# Altium PCB LimeSDR-X3_1v2.PcbDoc (part 1 of 25) (continued)
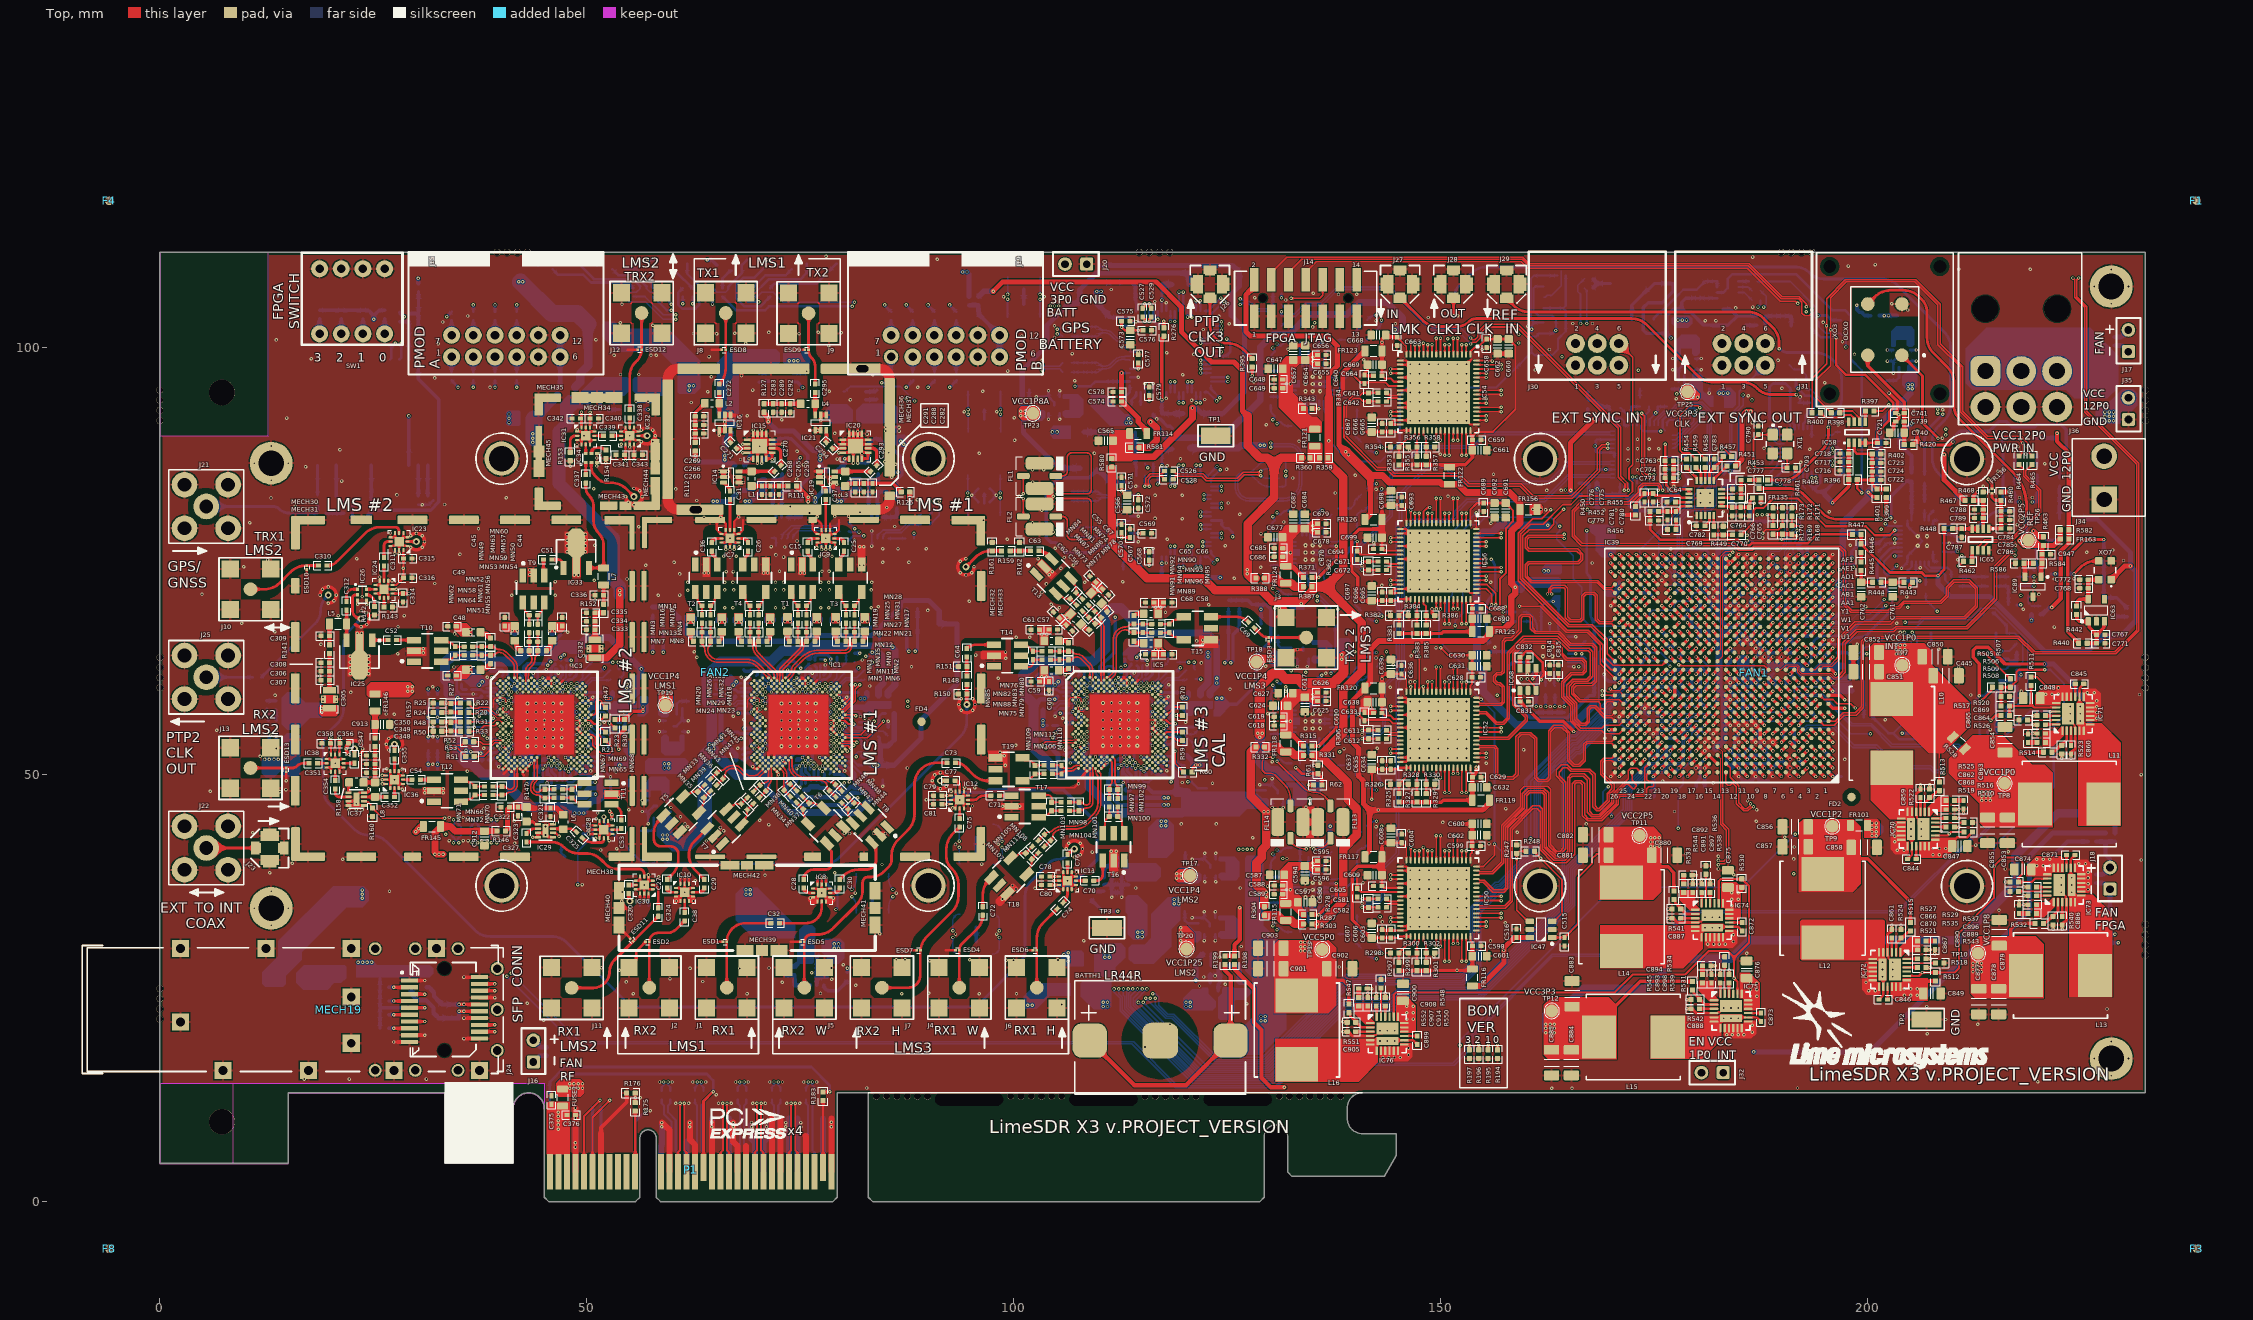
[diagram p0: Top view]
## Classes and differential pairs (continued)
net class LMS2_BB_TX2_DAC: LMS2_TX2_BB_I_N LMS2_TX2_BB_I_P LMS2_TX2_BB_Q_N LMS2_TX2_BB_Q_P
net class LMS3_TX_RF: GND LMS3_TX1_1 LMS3_TX2_1 LMS3_TX2_2 LMS3_TXRF1_1AB_N LMS3_TXRF1_1AB_P LMS3_TXRF1_1BB_N LMS3_TXRF1_1BB_P LMS3_TXRF2_1AB_N LMS3_TXRF2_1AB_P LMS3_TXRF2_1BB_N LMS3_TXRF2_1BB_P LMS3_TXRF2_2AB_N LMS3_TXRF2_2AB_P LMS3_TXRF2_2BB_N LMS3_TXRF2_2BB_P NetC63_2 NetC64_2 NetC69_2 NetMN89_1 NetMN90_1 VCC1P8_LMS3
net class LMS3_RX_RF: GND LMS3_RX2_H LMS3_RX2_W LMS3_RXRF2_HAB_N LMS3_RXRF2_HAB_P LMS3_RXRF2_HBB_N LMS3_RXRF2_HBB_P LMS3_RXRF2_WAB_N LMS3_RXRF2_WAB_P LMS3_RXRF2_WBB_N LMS3_RXRF2_WBB_P NetC71_2 NetC73_2
net class LMS3_MISC: LMS3_CORE_LDO_EN LMS3_RESET LMS3_RXEN LMS3_TXEN
net class LMS3_I2C: LMS3_I2C_SCL LMS3_I2C_SDA
net class LMS3_BB_ADC2_DATA: LMS3_BB_ADC2_CLKOUT_N LMS3_BB_ADC2_CLKOUT_P LMS3_BB_ADC2_DA0_N LMS3_BB_ADC2_DA0_P LMS3_BB_ADC2_DA1_N LMS3_BB_ADC2_DA1_P LMS3_BB_ADC2_DA2_N LMS3_BB_ADC2_DA2_P LMS3_BB_ADC2_DA3_N LMS3_BB_ADC2_DA3_P LMS3_BB_ADC2_DA4_N LMS3_BB_ADC2_DA4_P LMS3_BB_ADC2_DA5_N LMS3_BB_ADC2_DA5_P LMS3_BB_ADC2_DA6_N LMS3_BB_ADC2_DA6_P LMS3_BB_ADC2_DB0_N LMS3_BB_ADC2_DB0_P LMS3_BB_ADC2_DB1_N LMS3_BB_ADC2_DB1_P LMS3_BB_ADC2_DB2_N LMS3_BB_ADC2_DB2_P LMS3_BB_ADC2_DB3_N LMS3_BB_ADC2_DB3_P LMS3_BB_ADC2_DB4_N LMS3_BB_ADC2_DB4_P LMS3_BB_ADC2_DB5_N LMS3_BB_ADC2_DB5_P LMS3_BB_ADC2_DB6_N LMS3_BB_ADC2_DB6_P
net class LMS3_BB_ADC1_DATA: LMS3_BB_ADC1_CLKOUT_N LMS3_BB_ADC1_CLKOUT_P LMS3_BB_ADC1_DA0_N LMS3_BB_ADC1_DA0_P LMS3_BB_ADC1_DA1_N LMS3_BB_ADC1_DA1_P LMS3_BB_ADC1_DA2_N LMS3_BB_ADC1_DA2_P LMS3_BB_ADC1_DA3_N LMS3_BB_ADC1_DA3_P LMS3_BB_ADC1_DA4_N LMS3_BB_ADC1_DA4_P LMS3_BB_ADC1_DA5_N LMS3_BB_ADC1_DA5_P LMS3_BB_ADC1_DA6_N LMS3_BB_ADC1_DA6_P LMS3_BB_ADC1_DB0_N LMS3_BB_ADC1_DB0_P LMS3_BB_ADC1_DB1_N LMS3_BB_ADC1_DB1_P LMS3_BB_ADC1_DB2_N LMS3_BB_ADC1_DB2_P LMS3_BB_ADC1_DB3_N LMS3_BB_ADC1_DB3_P LMS3_BB_ADC1_DB4_N LMS3_BB_ADC1_DB4_P LMS3_BB_ADC1_DB5_N LMS3_BB_ADC1_DB5_P LMS3_BB_ADC1_DB6_N LMS3_BB_ADC1_DB6_P
net class LMS2_BB_ADC2_DATA: LMS2_BB_ADC2_CLKOUT_N LMS2_BB_ADC2_CLKOUT_P LMS2_BB_ADC2_DA0_N LMS2_BB_ADC2_DA0_P LMS2_BB_ADC2_DA1_N LMS2_BB_ADC2_DA1_P LMS2_BB_ADC2_DA2_N LMS2_BB_ADC2_DA2_P LMS2_BB_ADC2_DA3_N LMS2_BB_ADC2_DA3_P LMS2_BB_ADC2_DA4_N LMS2_BB_ADC2_DA4_P LMS2_BB_ADC2_DA5_N LMS2_BB_ADC2_DA5_P LMS2_BB_ADC2_DA6_N LMS2_BB_ADC2_DA6_P LMS2_BB_ADC2_DB0_N LMS2_BB_ADC2_DB0_P LMS2_BB_ADC2_DB1_N LMS2_BB_ADC2_DB1_P LMS2_BB_ADC2_DB2_N LMS2_BB_ADC2_DB2_P LMS2_BB_ADC2_DB3_N LMS2_BB_ADC2_DB3_P LMS2_BB_ADC2_DB4_N LMS2_BB_ADC2_DB4_P LMS2_BB_ADC2_DB5_N LMS2_BB_ADC2_DB5_P LMS2_BB_ADC2_DB6_N LMS2_BB_ADC2_DB6_P
net class LMS2_BB_ADC1_DATA: LMS2_BB_ADC1_CLKOUT_N LMS2_BB_ADC1_CLKOUT_P LMS2_BB_ADC1_DA0_N LMS2_BB_ADC1_DA0_P LMS2_BB_ADC1_DA1_N LMS2_BB_ADC1_DA1_P LMS2_BB_ADC1_DA2_N LMS2_BB_ADC1_DA2_P LMS2_BB_ADC1_DA3_N LMS2_BB_ADC1_DA3_P LMS2_BB_ADC1_DA4_N LMS2_BB_ADC1_DA4_P LMS2_BB_ADC1_DA5_N LMS2_BB_ADC1_DA5_P LMS2_BB_ADC1_DA6_N LMS2_BB_ADC1_DA6_P LMS2_BB_ADC1_DB0_N LMS2_BB_ADC1_DB0_P LMS2_BB_ADC1_DB1_N LMS2_BB_ADC1_DB1_P LMS2_BB_ADC1_DB2_N LMS2_BB_ADC1_DB2_P LMS2_BB_ADC1_DB3_N LMS2_BB_ADC1_DB3_P LMS2_BB_ADC1_DB4_N LMS2_BB_ADC1_DB4_P LMS2_BB_ADC1_DB5_N LMS2_BB_ADC1_DB5_P LMS2_BB_ADC1_DB6_N LMS2_BB_ADC1_DB6_P
net class LMS2_BB: GND LMS2_IC_RX1_BB_I_N LMS2_IC_RX1_BB_I_P LMS2_IC_RX1_BB_Q_N LMS2_IC_RX1_BB_Q_P LMS2_IC_RX2_BB_I_N LMS2_IC_RX2_BB_I_P LMS2_IC_RX2_BB_Q_N LMS2_IC_RX2_BB_Q_P LMS2_IC_TX1_BB_I_N LMS2_IC_TX1_BB_I_P LMS2_IC_TX1_BB_Q_N LMS2_IC_TX1_BB_Q_P LMS2_IC_TX2_BB_I_N LMS2_IC_TX2_BB_I_P LMS2_IC_TX2_BB_Q_N LMS2_IC_TX2_BB_Q_P LMS2_RX1_BB_I_N LMS2_RX1_BB_I_P LMS2_RX1_BB_Q_N LMS2_RX1_BB_Q_P LMS2_RX2_BB_I_N LMS2_RX2_BB_I_P LMS2_RX2_BB_Q_N LMS2_RX2_BB_Q_P LMS2_TX1_BB_I_N LMS2_TX1_BB_I_P LMS2_TX1_BB_Q_N LMS2_TX1_BB_Q_P LMS2_TX2_BB_I_N LMS2_TX2_BB_I_P LMS2_TX2_BB_Q_N LMS2_TX2_BB_Q_P
net class +3.3V_DIG_LMK: +3.3V_DIG_LMK1 +3.3V_DIG_LMK2
component class 29_Clocks2: C790 C791 C792 C793 C794 C795 C796 C797 C798 C799 C800 C801 C802 C803 C804 C805 C806 C807 C808 C809 C810 C811 C812 C813 C814 C815 C816 C817 C818 C819 C820 C821 C822 C823 C824 C825 C826 C827 C828 C829 C830 C831 C832 C833 C834 C835 C836 C837 C838 C839 C840 C841 C842 C843 FR137 FR138 FR139 FR140 FR141 IC66 IC67 IC68 IC69 J30 J31 R469 R470 R471 R472 R473 R474 R475 R476 R477 R478 R479 R480 R481 R482 R483 R484 R485 R486 R487 R488 R489 R490 R491 R492 R493 R494 R495 R496 R497 R498 R499 R500 R501 R502 R503 XO8 XT1
component class 17_FPGA_B12_B13_B14_B15: IC39
component class 31_Power2: C915 C916 C917 C918 C919 C920 C921 C922 C923 C924 C925 C926 C927 C928 C929 C930 C931 C932 C933 C934 C935 C936 C937 C938 C939 C940 C941 C942 C943 C944 C945 C946 C947 FR147 FR148 FR149 FR150 FR151 FR152 FR153 FR154 FR155 FR156 FR157 FR158 FR159 FR160 FR161 FR162 FR163 IC77 IC78 IC79 IC80 IC81 IC82 IC83 IC84 IC85 IC86 IC87 IC88 IC89 R553 R554 R555 R556 R557 R558 R559 R560 R561 R562 R563 R564 R565 R566 R567 R568 R569 R570 R571 R572 R573 R574 R575 R576 R577 R578 R579 R580 R581 R582 R583 R584 R585 R586 TP14 TP15 TP16 TP17 TP18 TP19 TP20 TP21 TP22 TP23 TP24 TP25 TP26
component class 05_LMS1_Misc: C1 C2 F1 F2 F3 F4 F5 F6 F7 F8 FAN1 FAN2 FD1 FD2 FD3 FD4 IC1 IC2 MECH15 MECH16 MECH17 MECH18 R1 R2 R3 R4 R5 R6 R7 R8 R9 R10 R11 R12 R13 R14 TP1 TP2 TP3 TP4 TP5 TP6
component class 28_Clocks1: C737 C738 C739 C740 C741 C742 C743 C744 C745 C746 C747 C748 C749 C750 C751 C752 C753 C754 C755 C756 C757 C758 C759 C760 C761 C762 C763 C764 C765 C766 C767 C768 C769 C770 C771 C772 C773 C774 C775 C776 C777 C778 C779 C780 C781 C782 C783 C784 C785 C786 C787 C788 C789 FR132 FR133 FR134 FR135 FR136 IC62 IC63 IC64 IC65 J27 J28 J29 R418 R419 R420 R421 R422 R423 R424 R425 R426 R427 R428 R429 R430 R431 R432 R433 R434 R435 R436 R437 R438 R439 R440 R441 R442 R443 R444 R445 R446 R447 R448 R449 R450 R451 R452 R453 R454 R455 R456 R457 R458 R459 R460 R461 R462 R463 R464 R465 R466 R467 R468 XO3 XO4 XO5 XO6 XO7
component class 27_WR_PTP: C700 C701 C702 C703 C704 C705 C706 C707 C708 C709 C710 C711 C712 C713 C714 C715 C716 C717 C718 C719 C720 C721 C722 C723 C724 C725 C726 C727 C728 C729 C730 C731 C732 C733 C734 C735 C736 FR127 FR128 FR129 FR130 FR131 IC58 IC59 IC60 IC61 J24 J25 J26 MECH19 R389 R390 R391 R392 R393 R394 R395 R396 R397 R398 R399 R400 R401 R402 R403 R404 R405 R406 R407 R408 R409 R410 R411 R412 R413 R414 R415 R416 R417 XO1 XO2
component class 25_LMS3_RX1_BB_ADC: C640 C641 C642 C643 C644 C645 C646 C647 C648 C649 C650 C651 C652 C653 C654 C655 C656 C657 C658 C659 C660 C661 C662 C663 C664 C665 C666 C667 C668 C669 FL19 FR121 FR122 FR123 IC54 IC55 R333 R334 R335 R336 R337 R338 R339 R340 R341 R342 R343 R344 R345 R346 R347 R348 R349 R350 R351 R352 R353 R354 R355 R356 R357 R358 R359 R360
component class 23_LMS2_RX1_BB_ADC: C580 C581 C582 C583 C584 C585 C586 C587 C588 C589 C590 C591 C592 C593 C594 C595 C596 C597 C598 C599 C600 C601 C602 C603 C604 C605 C606 C607 C608 C609 FL17 FR115 FR116 FR117 IC50 IC51 R277 R278 R279 R280 R281 R282 R283 R284 R285 R286 R287 R288 R289 R290 R291 R292 R293 R294 R295 R296 R297 R298 R299 R300 R301 R302 R303 R304
component class 15_LMS2_RF1_Misc: C305 C306 C307 C308 C309 C310 C311 C312 C313 C314 C315 C316 C317 C318 C319 C320 C321 C322 C323 C324 C325 C326 C327 C328 C329 C330 C331 ESD10 ESD11 IC23 IC24 IC25 IC26 IC27 IC28 IC29 IC30 J10 J11 L5 L6 R141 R142 R143 R144 R145 R146 R147 R148 R149 R150 R151
component class 07_LMS3_Misc: C5 C6 IC5 IC6 R59 R60 R61 R62 R63 R64 R65 R66 R67 R68 R69 R70 R71 R72 R73 R74
net class VCC_LMS2_TX2_2: VCC_LMS2_TX2_1 VCC_LMS2_TX2_2
net class VCC_LMS2_TX1_2: VCC_LMS1_TX2
net class VCC12P0: VCC12P0
net class VCC3P3_RF: VCC3P3_RF
net class VCC1P25_LMS2: VCC1P25_LMS2
net class VCC1P25_LMS1: VCC1P25_LMS1
net class VCC1P8A: VCC1P8A
net class VCC1P8_LMS2: VCC1P8_LMS2
net class VCC1P8_LMS1: VCC1P8_LMS1
net class VCC1P4_LMS2: VCC1P4_LMS2
net class VCC1P4_LMS1: VCC1P4_LMS1
net class VCC2P5_CLK: VCC2P5_CLK
net class GNSS: GNSS_TPULSE GNSS_UART_RX GNSS_UART_TX GNSS_USB_VDD
net class PCIe: PCIE_HSI0_IC_N PCIE_HSI0_IC_P PCIE_HSI0_N PCIE_HSI0_P PCIE_HSI1_IC_N PCIE_HSI1_IC_P PCIE_HSI1_N PCIE_HSI1_P PCIE_HSI2_IC_N PCIE_HSI2_IC_P PCIE_HSI2_N PCIE_HSI2_P PCIE_HSI3_IC_N PCIE_HSI3_IC_P PCIE_HSI3_N PCIE_HSI3_P PCIE_HSO0_N PCIE_HSO0_P PCIE_HSO1_N PCIE_HSO1_P PCIE_HSO2_N PCIE_HSO2_P PCIE_HSO3_N PCIE_HSO3_P PCIE_REFCLK_IC_N PCIE_REFCLK_IC_P PCIE_REFCLK_N
net class FPGA_M: FPGA_M0 FPGA_M1 FPGA_M2
net class VDIO_LMS: VDIO_LMS
net class VDIO_LMS_FPGA: VDIO_LMS_FPGA
net class VCC1P0: VCC1P0
net class LMS2_TX_RF: GND LMS2_TX1_1 LMS2_TX2_1 LMS2_TXRF1_1AB_N LMS2_TXRF1_1AB_P LMS2_TXRF1_1BB_N LMS2_TXRF1_1BB_P LMS2_TXRF2_1AB_N LMS2_TXRF2_1AB_P LMS2_TXRF2_1BB_N LMS2_TXRF2_1BB_P NetC51_2 NetC52_2
net class LMS2_RX_RF: GND LMS2_RX1_H LMS2_RX2_H LMS2_RXRF1_HAB_N LMS2_RXRF1_HAB_P LMS2_RXRF1_HBB_N LMS2_RXRF1_HBB_P LMS2_RXRF1_LAB_N LMS2_RXRF2_HAB_N LMS2_RXRF2_HAB_P LMS2_RXRF2_HBB_N LMS2_RXRF2_HBB_P NetC53_2 NetC54_2
net class LMS2_MISC: LMS2_CORE_LDO_EN LMS2_RESET LMS2_RXEN LMS2_TXEN
net class LMS2_I2C: LMS2_I2C_SCL LMS2_I2C_SDA
net class LMS1_TX_RF: GND LMS1_TX1_1 LMS1_TX1_2 LMS1_TX2_1 LMS1_TX2_2 LMS1_TXRF1_1AB_N LMS1_TXRF1_1AB_P LMS1_TXRF1_1BB_N LMS1_TXRF1_1BB_P LMS1_TXRF1_2AB_N LMS1_TXRF1_2AB_P LMS1_TXRF1_2BB_N LMS1_TXRF1_2BB_P LMS1_TXRF2_1AB_N LMS1_TXRF2_1AB_P LMS1_TXRF2_1BB_N LMS1_TXRF2_1BB_P LMS1_TXRF2_2AB_N LMS1_TXRF2_2AB_P LMS1_TXRF2_2BB_N LMS1_TXRF2_2BB_P NetC15_2 NetC16_2 NetC25_2 NetC26_2 NetMN17_1 NetMN18_1 NetMN19_1 NetMN20_1 VCC1P8_LMS1
net class LMS1_RX_RF: GND LMS1_RX1_H LMS1_RX1_L LMS1_RX2_H LMS1_RX2_L LMS1_RXRF1_HAB_N LMS1_RXRF1_HAB_P LMS1_RXRF1_HBB_N LMS1_RXRF1_HBB_P LMS1_RXRF1_LAB_N LMS1_RXRF1_LAB_P LMS1_RXRF1_LBB_N LMS1_RXRF1_LBB_P LMS1_RXRF2_HAB_N LMS1_RXRF2_HAB_P LMS1_RXRF2_HBB_N LMS1_RXRF2_HBB_P LMS1_RXRF2_LAB_N LMS1_RXRF2_LAB_P LMS1_RXRF2_LBB_N LMS1_RXRF2_LBB_P LMS3_RX1_H LMS3_RX1_W LMS3_RXRF1_HAB_N LMS3_RXRF1_HAB_P LMS3_RXRF1_HBB_N LMS3_RXRF1_HBB_P LMS3_RXRF1_WAB_N LMS3_RXRF1_WAB_P LMS3_RXRF1_WBB_N LMS3_RXRF1_WBB_P NetC27_2 NetC28_2 NetC29_2 NetC30_2 NetC70_2 NetC72_2
net class LMS1_PORT2: LMS1_DIQ2_D0 LMS1_DIQ2_D1 LMS1_DIQ2_D2 LMS1_DIQ2_D3 LMS1_DIQ2_D4 LMS1_DIQ2_D5 LMS1_DIQ2_D6 LMS1_DIQ2_D7 LMS1_DIQ2_D8 LMS1_DIQ2_D9 LMS1_DIQ2_D10 LMS1_DIQ2_D11 LMS1_EN_IQSEL2 LMS1_FCLK2 LMS1_MCLK2 LMS1_TXNRX2
net class LMS1_PORT1: LMS1_DIQ1_D0 LMS1_DIQ1_D1 LMS1_DIQ1_D2 LMS1_DIQ1_D3 LMS1_DIQ1_D4 LMS1_DIQ1_D5 LMS1_DIQ1_D6 LMS1_DIQ1_D7 LMS1_DIQ1_D8 LMS1_DIQ1_D9 LMS1_DIQ1_D10 LMS1_DIQ1_D11 LMS1_EN_IQSEL1 LMS1_FCLK1 LMS1_MCLK1 LMS1_TXNRX1
net class LMS1_MISC: LMS1_CORE_LDO_EN LMS1_RESET LMS1_RXEN LMS1_TXEN
net class LMS1_I2C: LMS1_I2C_SCL LMS1_I2C_SDA
net class FPGA_SWITCH: FPGA_SW0 FPGA_SW1 FPGA_SW2 FPGA_SW3
net class FPGA_SPI0: FPGA_SPI0_LMS1_MISO FPGA_SPI0_LMS1_SS FPGA_SPI0_LMS2_MISO FPGA_SPI0_LMS2_SS FPGA_SPI0_LMS3_MISO FPGA_SPI0_LMS3_SS FPGA_SPI0_MOSI FPGA_SPI0_SCLK NetC1_1 NetC3_1 NetC5_1 NetIC1_D28 NetIC1_F28 NetIC1_F30 NetIC3_D28 NetIC3_F28 NetIC3_F30 NetIC5_D28 NetIC5_F28 NetIC5_F30
component class 22_LMS2_TX_BB_DACs: C520 C521 C522 C523 C524 C525 C526 C527 C528 C529 C530 C531 C532 C533 C534 C535 C536 C537 C538 C539 C540 C541 C542 C543 C544 C545 C546 C547 C548 C549 C550 C551 C552 C553 C554 C555 C556 C557 C558 C559 C560 C561 C562 C563 C564 C565 C566 C567 C568 C569 C570 C571 C572 C573 C574 C575 C576 C577 C578 C579 FR105 FR106 FR107 FR108 FR109 FR110 FR111 FR112 FR113 FR114 IC48 IC49 R253 R254 R255 R256 R257 R258 R259 R260 R261 R262 R263 R264 R265 R266 R267 R268 R269 R270 R271 R272 R273 R274 R275 R276
component class 30_Power1: C844 C845 C846 C847 C848 C849 C850 C851 C852 C853 C854 C855 C856 C857 C858 C859 C860 C861 C862 C863 C864 C865 C866 C867 C868 C869 C870 C871 C872 C873 C874 C875 C876 C877 C878 C879 C880 C881 C882 C883 C884 C885 C886 C887 C888 C889 C890 C891 C892 C893 C894 C895 C896 C897 C898 C899 C900 C901 C902 C903 C904 C905 C906 C907 C908 C909 C910 C911 C912 C913 C914 FR142 FR143 FR144 FR145 FR146 FUSE1 FUSE2 IC70 IC71 IC72 IC73 IC74 IC75 IC76 J32 J34 J35 J36 L10 L11 L12 L13 L14 L15 L16 R504 R505 R506 R507 R508 R509 R510 R511 R512 R513 R514 R515 R516 R517 R518 R519 R520 R521 R522 R523 R524 R525 R526 R527 R528 R529 R530 R531 R532 R533 R534 R535 R536 R537 R538 R539 R540 R541 R542 R543 R544 R545 R546 R547 R548 R549 R550 R551 R552 TP7 TP8 TP9 TP10 TP11 TP12 TP13
component class 21_Peripherals: C502 C503 C504 C505 C506 C507 C508 C509 C510 C511 C512 C513 C514 C515 C516 C517 C518 C519 ESD14 FR104 IC42 IC43 IC44 IC45 IC46 IC47 J15 J16 J17 J18 J19 J20 J21 J22 J23 L9 LED1 LED2 LED3 LED4 LED5 R200 R201 R202 R203 R204 R205 R206 R207 R208 R209 R210 R211 R212 R213 R214 R215 R216 R217 R218 R219 R220 R221 R222 R223 R224 R225 R226 R227 R228 R229 R230 R231 R232 R233 R234 R235 R236 R237 R238 R239 R240 R241 R242 R243 R244 R245 R246 R247 R248 R249 R250 R251 R252 SW1 VT2
component class 20_FPGA_Power: BATTH1 C377 C378 C379 C380 C381 C382 C383 C384 C385 C386 C387 C388 C389 C390 C391 C392 C393 C394 C395 C396 C397 C398 C399 C400 C401 C402 C403 C404 C405 C406 C407 C408 C409 C410 C411 C412 C413 C414 C415 C416 C417 C418 C419 C420 C421 C422 C423 C424 C425 C426 C427 C428 C429 C430 C431 C432 C433 C434 C435 C436 C437 C438 C439 C440 C441 C442 C443 C444 C445 C446 C447 C448 C449 C450 C451 C452 C453 C454 C455 C456 C457 C458 C459 C460 C461 C462 C463 C464 C465 C466 C467 C468 C469 C470 C471 C472 C473 C474 C475 C476 C477 C478 C479 C480 C481 C482 C483 C484 C485 C486 C487 C488 C489 C490 C491 C492 C493 C494 C495 C496 C497 C498 C499 C500 C501 FR100 FR101 FR102 FR103 R198 R199
component class 24_LMS2_RX2_BB_ADC: C610 C611 C612 C613 C614 C615 C616 C617 C618 C619 C620 C621 C622 C623 C624 C625 C626 C627 C628 C629 C630 C631 C632 C633 C634 C635 C636 C637 C638 C639 FL18 FR118 FR119 FR120 IC52 IC53 R305 R306 R307 R308 R309 R310 R311 R312 R313 R314 R315 R316 R317 R318 R319 R320 R321 R322 R323 R324 R325 R326 R327 R328 R329 R330 R331 R332
component class 19_FPGA_misc: C359 C360 C361 C362 C363 C364 C365 C366 C367 C368 C369 C370 C371 C372 C373 C374 C375 C376 IC40 IC41 J14 LED6 P1 R163 R164 R165 R166 R167 R168 R169 R170 R171 R172 R173 R174 R175 R176 R177 R178 R179 R180 R181 R182 R183 R184 R185 R186 R187 R188 R189 R190 R191 R192 R193 R194 R195 R196 R197 VT1
component class 13_LMS3_Power: C200 C201 C202 C203 C204 C205 C206 C207 C208 C209 C210 C211 C212 C213 C214 C215 C216 C217 C218 C219 C220 C221 C222 C223 C224 C225 C226 C227 C228 C229 C230 C231 C232 C233 C234 C235 C236 C237 C238 C239 C240 C241 C242 C243 C244 C245 C246 C247 C248 C249 C250 C251 C252 C253 C254 C255 C256 C257 C258 FR67 FR68 FR69 FR70 FR71 FR72 FR73 FR74 FR75 FR76 FR77 FR78 FR79 FR80 FR81 FR82 FR83 FR84 FR85 FR86 FR87 FR88 FR89 FR90 FR91 FR92 FR93 FR94 FR95 FR96 FR97 FR98 FR99 R99 R100 R101 R102 R103 R104 R105 R106 R107 R108 R109 R110
component class 09_LMS2_RF: C43 C44 C45 C46 C47 C48 C49 C50 C51 C52 C53 C54 MECH32 MECH33 MN49 MN50 MN51 MN52 MN53 MN54 MN55 MN56 MN57 MN58 MN59 MN60 MN61 MN62 MN63 MN64 MN65 MN66 MN67 MN68 MN69 MN70 MN71 MN72 T9 T10 T11 T12
component class 12_LMS2_Power: C141 C142 C143 C144 C145 C146 C147 C148 C149 C150 C151 C152 C153 C154 C155 C156 C157 C158 C159 C160 C161 C162 C163 C164 C165 C166 C167 C168 C169 C170 C171 C172 C173 C174 C175 C176 C177 C178 C179 C180 C181 C182 C183 C184 C185 C186 C187 C188 C189 C190 C191 C192 C193 C194 C195 C196 C197 C198 C199 FR34 FR35 FR36 FR37 FR38 FR39 FR40 FR41 FR42 FR43 FR44 FR45 FR46 FR47 FR48 FR49 FR50 FR51 FR52 FR53 FR54 FR55 FR56 FR57 FR58 FR59 FR60 FR61 FR62 FR63 FR64 FR65 FR66 R87 R88 R89 R90 R91 R92 R93 R94 R95 R96 R97 R98
component class 11_LMS1_Power: C82 C83 C84 C85 C86 C87 C88 C89 C90 C91 C92 C93 C94 C95 C96 C97 C98 C99 C100 C101 C102 C103 C104 C105 C106 C107 C108 C109 C110 C111 C112 C113 C114 C115 C116 C117 C118 C119 C120 C121 C122 C123 C124 C125 C126 C127 C128 C129 C130 C131 C132 C133 C134 C135 C136 C137 C138 C139 C140 FR1 FR2 FR3 FR4 FR5 FR6 FR7 FR8 FR9 FR10 FR11 FR12 FR13 FR14 FR15 FR16 FR17 FR18 FR19 FR20 FR21 FR22 FR23 FR24 FR25 FR26 FR27 FR28 FR29 FR30 FR31 FR32 FR33 R75 R76 R77 R78 R79 R80 R81 R82 R83 R84 R85 R86
component class 08_LMS1_RF: C7 C8 C9 C10 C11 C12 C13 C14 C15 C16 C17 C18 C19 C20 C21 C22 C23 C24 C25 C26 C27 C28 C29 C30 C31 C32 C33 C34 C35 C36 C37 C38 C39 C40 C41 C42 ESD1 ESD2 IC7 IC8 IC9 IC10 J1 J2 MECH30 MECH31 MECH38 MECH39 MECH40 MECH41 MECH42 MN1 MN2 MN3 MN4 MN5 MN6 MN7 MN8 MN9 MN10 MN11 MN12 MN13 MN14 MN15 MN16 MN17 MN18 MN19 MN20 MN21 MN22 MN23 MN24 MN25 MN26 MN27 MN28 MN29 MN30 MN31 MN32 MN33 MN34 MN35 MN36 MN37 MN38 MN39 MN40 MN41 MN42 MN43 MN44 MN45 MN46 MN47 MN48 T1 T2 T3 T4 T5 T6 T7 T8
component class 06_LMS2_Misc: C3 C4 FL1 FL2 FL3 FL4 FL5 FL6 FL7 FL8 FL9 FL10 FL11 FL12 FL13 FL14 FL15 FL16 IC3 IC4 R15 R16 R17 R18 R19 R20 R21 R22 R23 R24 R25 R26 R27 R28 R29 R30 R31 R32 R33 R34 R35 R36 R37 R38 R39 R40 R41 R42 R43 R44 R45 R46 R47 R48 R49 R50 R51 R52 R53 R54 R55 R56 R57 R58
net class VCC5P0: VCC5P0
net class VCC3P3: VCC3P3
net class VCC3P3_CLK: VCC3P3_CLK
net class FPGA_LEDS: FPGA_LED1_G FPGA_LED1_R FPGA_LED2_G FPGA_LED2_R FPGA_LED3_G FPGA_LED3_R FPGA_LED4_G FPGA_LED4_R
net class FPGA_JTAG: FPGA_JTAG_TCK FPGA_JTAG_TDI FPGA_JTAG_TDO FPGA_JTAG_TMS NetJ7_7
net class CLK_PATH: ADF_REF_IN CDCM_LMS2_BB_DAC1_CLK_N CDCM_LMS2_BB_DAC1_CLK_P CDCM_LMS2_BB_DAC1_REFC_N CDCM_LMS2_BB_DAC1_REFC_P CDCM_LMS2_BB_DAC2_CLK_N CDCM_LMS2_BB_DAC2_CLK_P CDCM_LMS2_BB_DAC2_REFC_N CDCM_LMS2_BB_DAC2_REFC_P FPGA_LMS2_BB_DAC1_CLK_N FPGA_LMS2_BB_DAC1_CLK_P FPGA_LMS2_BB_DAC2_CLK_N FPGA_LMS2_BB_DAC2_CLK_P LMK1_CLKIN0 LMS1_RxPLL_CLK LMS1_TxPLL_CLK LMS2_BB_ADC1_CLK_N LMS2_BB_ADC1_CLK_P LMS2_BB_ADC2_CLK_N LMS2_BB_ADC2_CLK_P LMS2_BB_DAC1_CLK_N LMS2_BB_DAC1_CLK_P LMS2_BB_DAC2_CLK_N LMS2_BB_DAC2_CLK_P LMS2_RxPLL_CLK LMS2_TxPLL_CLK LMS3_BB_ADC1_CLK_N LMS3_BB_ADC1_CLK_P LMS3_BB_ADC2_CLK_N LMS3_BB_ADC2_CLK_P LMS3_RxPLL_CLK LMS3_TxPLL_CLK NetIC66_1 NetIC66_3 NetIC66_5 NetIC66_7 NetR432_2 NetR437_1
net class +1.8V_DIG_LMK: +1.8V_DIG_LMK2 +2.5V_DIG_LMK1
component class 14_LMS1_RF_PA: C259 C260 C261 C262 C263 C264 C265 C266 C267 C268 C269 C270 C271 C272 C273 C274 C275 C276 C277 C278 C279 C280 C281 C282 C283 C284 C285 C286 C287 C288 C289 C290 C291 C292 C293 C294 C295 C296 C297 C298 C299 C300 C301 C302 C303 C304 ESD8 ESD9 IC13 IC14 IC15 IC16 IC17 IC18 IC19 IC20 IC21 IC22 J8 J9 L1 L2 L3 L4 MECH36 MECH37 R111 R112 R113 R114 R115 R116 R117 R118 R119 R120 R121 R122 R123 R124 R125 R126 R127 R128 R129 R130 R131 R132 R133 R134 R135 R136 R137 R138 R139 R140
net class VCC3P3_BBDAC: VCC3P3_BBDAC
net class VCC_LMS1_TX1: VCC_LMS1_TX1
net class VCC_LMS2_TX1_1: VCC_LMS2_TX1_1
differential pair WR_PTP_CLK0_125_IC: +WR_PTP_CLK0_125_IC_P -WR_PTP_CLK0_125_IC_N
differential pair LMS2_IC_RX2_BB_Q: +LMS2_IC_RX2_BB_Q_P -LMS2_IC_RX2_BB_Q_N
differential pair LMS2_IC_RX2_BB_I: +LMS2_IC_RX2_BB_I_P -LMS2_IC_RX2_BB_I_N
differential pair LMS2_IC_RX1_BB_Q: +LMS2_IC_RX1_BB_Q_P -LMS2_IC_RX1_BB_Q_N
differential pair LMS2_IC_RX1_BB_I: +LMS2_IC_RX1_BB_I_P -LMS2_IC_RX1_BB_I_N
differential pair WR_PTP_SFP_TD: +WR_PTP_SFP_TD_P -WR_PTP_SFP_TD_N
differential pair WR_PTP_SFP_RD: +WR_PTP_SFP_RD_P -WR_PTP_SFP_RD_N
differential pair WR_PTP_CLK3_125: +WR_PTP_CLK3_125_P -WR_PTP_CLK3_125_N
differential pair WR_PTP_CLK2_125: +WR_PTP_CLK2_125_P -WR_PTP_CLK2_125_N
differential pair WR_PTP_CLK1_125: +WR_PTP_CLK1_125_P -WR_PTP_CLK1_125_N
differential pair WR_PTP_CLK0_125: +WR_PTP_CLK0_125_P -WR_PTP_CLK0_125_N
differential pair PCIE_REFCLK_IC: +PCIE_REFCLK_IC_P -PCIE_REFCLK_IC_N
differential pair LMS3_RXRF2_WBB: +LMS3_RXRF2_WBB_P -LMS3_RXRF2_WBB_N
differential pair LMS3_RXRF2_WAB: +LMS3_RXRF2_WAB_P -LMS3_RXRF2_WAB_N
differential pair LMS3_RXRF1_WBB: +LMS3_RXRF1_WBB_P -LMS3_RXRF1_WBB_N
differential pair LMS3_RXRF1_WAB: +LMS3_RXRF1_WAB_P -LMS3_RXRF1_WAB_N
differential pair LMK1_CC1: +LMK1_CC1_P -LMK1_CC1_N
differential pair LMK1_CA1: +LMK1_CA1_P -LMK1_CA1_N
differential pair LMK1_C1: +LMK1_C1_P -LMK1_C1_N
differential pair EXT_CLK_OUT: +EXT_CLK_OUT_P -EXT_CLK_OUT_N
differential pair EXT_CLK_IN: +EXT_CLK_IN_P -EXT_CLK_IN_N
differential pair ECO: +ECO_P -ECO_N
differential pair CDCM_LMS2_BB_DAC2_REFC: +CDCM_LMS2_BB_DAC2_REFC_P -CDCM_LMS2_BB_DAC2_REFC_N
differential pair CDCM_LMS2_BB_DAC2_CLK: +CDCM_LMS2_BB_DAC2_CLK_P -CDCM_LMS2_BB_DAC2_CLK_N
differential pair CDCM_LMS2_BB_DAC1_REFC: +CDCM_LMS2_BB_DAC1_REFC_P -CDCM_LMS2_BB_DAC1_REFC_N
differential pair CDCM_LMS2_BB_DAC1_CLK: +CDCM_LMS2_BB_DAC1_CLK_P -CDCM_LMS2_BB_DAC1_CLK_N
differential pair LMS2_IC_TX2_BB_Q: +LMS2_IC_TX2_BB_Q_P -LMS2_IC_TX2_BB_Q_N
differential pair LMS2_IC_TX2_BB_I: +LMS2_IC_TX2_BB_I_P -LMS2_IC_TX2_BB_I_N
differential pair LMS2_IC_TX1_BB_Q: +LMS2_IC_TX1_BB_Q_P -LMS2_IC_TX1_BB_Q_N
differential pair LMS2_IC_TX1_BB_I: +LMS2_IC_TX1_BB_I_P -LMS2_IC_TX1_BB_I_N
differential pair LMS3_TXRF2_2BB: +LMS3_TXRF2_2BB_P -LMS3_TXRF2_2BB_N
differential pair LMS3_TXRF2_2AB: +LMS3_TXRF2_2AB_P -LMS3_TXRF2_2AB_N
differential pair LMS2_TX2_BB_Q: +LMS2_TX2_BB_Q_P -LMS2_TX2_BB_Q_N
differential pair LMS2_TX2_BB_I: +LMS2_TX2_BB_I_P -LMS2_TX2_BB_I_N
differential pair LMS2_TX2_BB_DAC_Q: +LMS2_TX2_BB_DAC_Q_P -LMS2_TX2_BB_DAC_Q_N
differential pair LMS2_TX2_BB_DAC_I: +LMS2_TX2_BB_DAC_I_P -LMS2_TX2_BB_DAC_I_N
differential pair LMS2_TX1_BB_Q: +LMS2_TX1_BB_Q_P -LMS2_TX1_BB_Q_N
differential pair LMS2_TX1_BB_I: +LMS2_TX1_BB_I_P -LMS2_TX1_BB_I_N
differential pair LMS2_TX1_BB_DAC_Q: +LMS2_TX1_BB_DAC_Q_P -LMS2_TX1_BB_DAC_Q_N
differential pair LMS2_TX1_BB_DAC_I: +LMS2_TX1_BB_DAC_I_P -LMS2_TX1_BB_DAC_I_N
differential pair LMS3_RXRF2_HAB: +LMS3_RXRF2_HAB_P -LMS3_RXRF2_HAB_N
differential pair LMS2_RXRF2_HAB: +LMS2_RXRF2_HAB_P -LMS2_RXRF2_HAB_N
differential pair LMS1_RXRF2_HAB: +LMS1_RXRF2_HAB_P -LMS1_RXRF2_HAB_N
differential pair LMS3_BB_DRV2B: +LMS3_BB_DRV2B_P -LMS3_BB_DRV2B_N
differential pair LMS3_BB_DRV2BC: +LMS3_BB_DRV2BC_P -LMS3_BB_DRV2BC_N
differential pair LMS3_BB_DRV2A: +LMS3_BB_DRV2A_P -LMS3_BB_DRV2A_N
differential pair LMS3_BB_DRV2AC: +LMS3_BB_DRV2AC_P -LMS3_BB_DRV2AC_N
differential pair LMS3_BB_DRV1B: +LMS3_BB_DRV1B_P -LMS3_BB_DRV1B_N
differential pair LMS3_BB_DRV1BC: +LMS3_BB_DRV1BC_P -LMS3_BB_DRV1BC_N
differential pair LMS3_BB_DRV1A: +LMS3_BB_DRV1A_P -LMS3_BB_DRV1A_N
differential pair LMS3_BB_DRV1AC: +LMS3_BB_DRV1AC_P -LMS3_BB_DRV1AC_N
differential pair LMS2_BB_DRV2B: +LMS2_BB_DRV2B_P -LMS2_BB_DRV2B_N
differential pair LMS2_BB_DRV2BC: +LMS2_BB_DRV2BC_P -LMS2_BB_DRV2BC_N
differential pair LMS2_BB_DRV2A: +LMS2_BB_DRV2A_P -LMS2_BB_DRV2A_N
differential pair LMS2_BB_DRV2AC: +LMS2_BB_DRV2AC_P -LMS2_BB_DRV2AC_N
differential pair LMS2_BB_DRV1B: +LMS2_BB_DRV1B_P -LMS2_BB_DRV1B_N
differential pair LMS2_BB_DRV1BC: +LMS2_BB_DRV1BC_P -LMS2_BB_DRV1BC_N
differential pair LMS2_BB_DRV1A: +LMS2_BB_DRV1A_P -LMS2_BB_DRV1A_N
differential pair LMS2_BB_DRV1AC: +LMS2_BB_DRV1AC_P -LMS2_BB_DRV1AC_N
differential pair FPGA_LMS2_BB_DAC2_CLK: +FPGA_LMS2_BB_DAC2_CLK_P -FPGA_LMS2_BB_DAC2_CLK_N
differential pair LMS3_TXRF2_1BB: +LMS3_TXRF2_1BB_P -LMS3_TXRF2_1BB_N
differential pair LMS3_TXRF2_1AB: +LMS3_TXRF2_1AB_P -LMS3_TXRF2_1AB_N
differential pair LMS3_TXRF1_1BB: +LMS3_TXRF1_1BB_P -LMS3_TXRF1_1BB_N
differential pair LMS3_TXRF1_1AB: +LMS3_TXRF1_1AB_P -LMS3_TXRF1_1AB_N
differential pair LMS3_RXRF2_HBB: +LMS3_RXRF2_HBB_P -LMS3_RXRF2_HBB_N
differential pair LMS3_RXRF1_HBB: +LMS3_RXRF1_HBB_P -LMS3_RXRF1_HBB_N
differential pair LMS3_BB_ADC2_INB: +LMS3_BB_ADC2_INB_P -LMS3_BB_ADC2_INB_N
differential pair LMS3_BB_ADC2_INA: +LMS3_BB_ADC2_INA_P -LMS3_BB_ADC2_INA_N
differential pair LMS3_BB_ADC2_DB6: +LMS3_BB_ADC2_DB6_P -LMS3_BB_ADC2_DB6_N
differential pair LMS3_BB_ADC2_DB5: +LMS3_BB_ADC2_DB5_P -LMS3_BB_ADC2_DB5_N
differential pair LMS3_BB_ADC2_DB4: +LMS3_BB_ADC2_DB4_P -LMS3_BB_ADC2_DB4_N
differential pair LMS3_BB_ADC2_DB3: +LMS3_BB_ADC2_DB3_P -LMS3_BB_ADC2_DB3_N
differential pair LMS3_BB_ADC2_DB2: +LMS3_BB_ADC2_DB2_P -LMS3_BB_ADC2_DB2_N
differential pair LMS3_BB_ADC2_DB1: +LMS3_BB_ADC2_DB1_P -LMS3_BB_ADC2_DB1_N
differential pair LMS3_BB_ADC2_DB0: +LMS3_BB_ADC2_DB0_P -LMS3_BB_ADC2_DB0_N
differential pair LMS3_BB_ADC2_DA6: +LMS3_BB_ADC2_DA6_P -LMS3_BB_ADC2_DA6_N
differential pair LMS3_BB_ADC2_DA5: +LMS3_BB_ADC2_DA5_P -LMS3_BB_ADC2_DA5_N
differential pair LMS3_BB_ADC2_DA4: +LMS3_BB_ADC2_DA4_P -LMS3_BB_ADC2_DA4_N
differential pair LMS3_BB_ADC2_DA3: +LMS3_BB_ADC2_DA3_P -LMS3_BB_ADC2_DA3_N
differential pair LMS3_BB_ADC2_DA2: +LMS3_BB_ADC2_DA2_P -LMS3_BB_ADC2_DA2_N
differential pair LMS3_BB_ADC2_DA1: +LMS3_BB_ADC2_DA1_P -LMS3_BB_ADC2_DA1_N
differential pair LMS3_BB_ADC2_DA0: +LMS3_BB_ADC2_DA0_P -LMS3_BB_ADC2_DA0_N
differential pair LMS3_BB_ADC2_CLKOUT: +LMS3_BB_ADC2_CLKOUT_P -LMS3_BB_ADC2_CLKOUT_N
differential pair LMS3_BB_ADC2_CLKC: +LMS3_BB_ADC2_CLKC_P -LMS3_BB_ADC2_CLKC_N
differential pair LMS2_TXRF2_1AB: +LMS2_TXRF2_1AB_P -LMS2_TXRF2_1AB_N
differential pair LMS3_TXRF1_1BB: +LMS2_TXRF1_1BB_P -LMS2_TXRF1_1BB_N
differential pair LMS3_TXRF1_1AB: +LMS2_TXRF1_1AB_P -LMS2_TXRF1_1AB_N
differential pair LMS3_RXRF1_HAB: +LMS3_RXRF1_HAB_P -LMS3_RXRF1_HAB_N
differential pair LMS3_RX2_BB_Q: +LMS3_RX2_BB_Q_P -LMS3_RX2_BB_Q_N
differential pair LMS3_RX2_BB_I: +LMS3_RX2_BB_I_P -LMS3_RX2_BB_I_N
differential pair LMS3_RX1_BB_Q: +LMS3_RX1_BB_Q_P -LMS3_RX1_BB_Q_N
differential pair LMS3_RX1_BB_I: +LMS3_RX1_BB_I_P -LMS3_RX1_BB_I_N
differential pair LMS3_BB_ADC2_CLK: +LMS3_BB_ADC2_CLK_P -LMS3_BB_ADC2_CLK_N
differential pair LMS3_BB_ADC1_INB: +LMS3_BB_ADC1_INB_P -LMS3_BB_ADC1_INB_N
differential pair LMS3_BB_ADC1_INA: +LMS3_BB_ADC1_INA_P -LMS3_BB_ADC1_INA_N
differential pair LMS3_BB_ADC1_DB6: +LMS3_BB_ADC1_DB6_P -LMS3_BB_ADC1_DB6_N
differential pair LMS3_BB_ADC1_DB5: +LMS3_BB_ADC1_DB5_P -LMS3_BB_ADC1_DB5_N
differential pair LMS3_BB_ADC1_DB4: +LMS3_BB_ADC1_DB4_P -LMS3_BB_ADC1_DB4_N
differential pair LMS3_BB_ADC1_DB3: +LMS3_BB_ADC1_DB3_P -LMS3_BB_ADC1_DB3_N
differential pair LMS3_BB_ADC1_DB2: +LMS3_BB_ADC1_DB2_P -LMS3_BB_ADC1_DB2_N
differential pair LMS3_BB_ADC1_DB1: +LMS3_BB_ADC1_DB1_P -LMS3_BB_ADC1_DB1_N
differential pair LMS3_BB_ADC1_DB0: +LMS3_BB_ADC1_DB0_P -LMS3_BB_ADC1_DB0_N
differential pair LMS3_BB_ADC1_DA6: +LMS3_BB_ADC1_DA6_P -LMS3_BB_ADC1_DA6_N
differential pair LMS3_BB_ADC1_DA5: +LMS3_BB_ADC1_DA5_P -LMS3_BB_ADC1_DA5_N
differential pair LMS3_BB_ADC1_DA4: +LMS3_BB_ADC1_DA4_P -LMS3_BB_ADC1_DA4_N
differential pair LMS3_BB_ADC1_DA3: +LMS3_BB_ADC1_DA3_P -LMS3_BB_ADC1_DA3_N
differential pair LMS3_BB_ADC1_DA2: +LMS3_BB_ADC1_DA2_P -LMS3_BB_ADC1_DA2_N
differential pair LMS3_BB_ADC1_DA1: +LMS3_BB_ADC1_DA1_P -LMS3_BB_ADC1_DA1_N
differential pair LMS3_BB_ADC1_DA0: +LMS3_BB_ADC1_DA0_P -LMS3_BB_ADC1_DA0_N
differential pair LMS3_BB_ADC1_CLK: +LMS3_BB_ADC1_CLK_P -LMS3_BB_ADC1_CLK_N
differential pair LMS3_BB_ADC1_CLKOUT: +LMS3_BB_ADC1_CLKOUT_P -LMS3_BB_ADC1_CLKOUT_N
differential pair LMS3_BB_ADC1_CLKC: +LMS3_BB_ADC1_CLKC_P -LMS3_BB_ADC1_CLKC_N
differential pair LMS2_RX2_BB_Q: +LMS2_RX2_BB_Q_P -LMS2_RX2_BB_Q_N
differential pair LMS2_RX2_BB_I: +LMS2_RX2_BB_I_P -LMS2_RX2_BB_I_N
differential pair LMS2_RX1_BB_Q: +LMS2_RX1_BB_Q_P -LMS2_RX1_BB_Q_N
differential pair LMS2_RX1_BB_I: +LMS2_RX1_BB_I_P -LMS2_RX1_BB_I_N
differential pair LMS2_BB_DAC2_SELIQ: +LMS2_BB_DAC2_SELIQ_P -LMS2_BB_DAC2_SELIQ_N
differential pair LMS2_BB_DAC2_CLK: +LMS2_BB_DAC2_CLK_P -LMS2_BB_DAC2_CLK_N
differential pair LMS2_BB_DAC2_B15: +LMS2_BB_DAC2_B15_P -LMS2_BB_DAC2_B15_N
differential pair LMS2_BB_DAC2_B14: +LMS2_BB_DAC2_B14_P -LMS2_BB_DAC2_B14_N
differential pair LMS2_BB_DAC2_B13: +LMS2_BB_DAC2_B13_P -LMS2_BB_DAC2_B13_N
differential pair LMS2_BB_DAC2_B12: +LMS2_BB_DAC2_B12_P -LMS2_BB_DAC2_B12_N
differential pair LMS2_BB_DAC2_B11: +LMS2_BB_DAC2_B11_P -LMS2_BB_DAC2_B11_N
differential pair LMS2_BB_DAC2_B10: +LMS2_BB_DAC2_B10_P -LMS2_BB_DAC2_B10_N
differential pair LMS2_BB_DAC2_B9: +LMS2_BB_DAC2_B9_P -LMS2_BB_DAC2_B9_N
differential pair LMS2_BB_DAC2_B8: +LMS2_BB_DAC2_B8_P -LMS2_BB_DAC2_B8_N
differential pair LMS2_BB_DAC2_B7: +LMS2_BB_DAC2_B7_P -LMS2_BB_DAC2_B7_N
differential pair LMS2_BB_DAC2_B6: +LMS2_BB_DAC2_B6_P -LMS2_BB_DAC2_B6_N
differential pair LMS2_BB_DAC2_B5: +LMS2_BB_DAC2_B5_P -LMS2_BB_DAC2_B5_N
differential pair LMS2_BB_DAC2_B4: +LMS2_BB_DAC2_B4_P -LMS2_BB_DAC2_B4_N
differential pair LMS2_BB_DAC2_B3: +LMS2_BB_DAC2_B3_P -LMS2_BB_DAC2_B3_N
differential pair LMS2_BB_DAC2_B2: +LMS2_BB_DAC2_B2_P -LMS2_BB_DAC2_B2_N
differential pair LMS2_BB_DAC2_B1: +LMS2_BB_DAC2_B1_P -LMS2_BB_DAC2_B1_N
differential pair LMS2_BB_DAC2_B0: +LMS2_BB_DAC2_B0_P -LMS2_BB_DAC2_B0_N
differential pair LMS2_BB_DAC1_SELIQ: +LMS2_BB_DAC1_SELIQ_P -LMS2_BB_DAC1_SELIQ_N
differential pair LMS2_BB_DAC1_CLK: +LMS2_BB_DAC1_CLK_P -LMS2_BB_DAC1_CLK_N
differential pair LMS2_BB_DAC1_B15: +LMS2_BB_DAC1_B15_P -LMS2_BB_DAC1_B15_N
differential pair LMS2_BB_DAC1_B14: +LMS2_BB_DAC1_B14_P -LMS2_BB_DAC1_B14_N
differential pair LMS2_BB_DAC1_B13: +LMS2_BB_DAC1_B13_P -LMS2_BB_DAC1_B13_N
differential pair LMS2_BB_DAC1_B12: +LMS2_BB_DAC1_B12_P -LMS2_BB_DAC1_B12_N
differential pair LMS2_BB_DAC1_B11: +LMS2_BB_DAC1_B11_P -LMS2_BB_DAC1_B11_N
differential pair LMS2_BB_DAC1_B10: +LMS2_BB_DAC1_B10_P -LMS2_BB_DAC1_B10_N
differential pair LMS2_BB_DAC1_B9: +LMS2_BB_DAC1_B9_P -LMS2_BB_DAC1_B9_N
differential pair LMS2_BB_DAC1_B8: +LMS2_BB_DAC1_B8_P -LMS2_BB_DAC1_B8_N
differential pair LMS2_BB_DAC1_B7: +LMS2_BB_DAC1_B7_P -LMS2_BB_DAC1_B7_N
differential pair LMS2_BB_DAC1_B6: +LMS2_BB_DAC1_B6_P -LMS2_BB_DAC1_B6_N
differential pair LMS2_BB_DAC1_B5: +LMS2_BB_DAC1_B5_P -LMS2_BB_DAC1_B5_N
differential pair LMS2_BB_DAC1_B4: +LMS2_BB_DAC1_B4_P -LMS2_BB_DAC1_B4_N
differential pair LMS2_BB_DAC1_B3: +LMS2_BB_DAC1_B3_P -LMS2_BB_DAC1_B3_N
differential pair LMS2_BB_DAC1_B2: +LMS2_BB_DAC1_B2_P -LMS2_BB_DAC1_B2_N
differential pair LMS2_BB_DAC1_B1: +LMS2_BB_DAC1_B1_P -LMS2_BB_DAC1_B1_N
differential pair LMS2_BB_DAC1_B0: +LMS2_BB_DAC1_B0_P -LMS2_BB_DAC1_B0_N
differential pair LMS2_BB_ADC2_INB: +LMS2_BB_ADC2_INB_P -LMS2_BB_ADC2_INB_N
differential pair LMS2_BB_ADC2_INA: +LMS2_BB_ADC2_INA_P -LMS2_BB_ADC2_INA_N